# Altium PCB MOTHER_BOARD_LS1021_v1.0.PcbDoc (part 1 of 15)
Units mm, origin at the board's own origin, x right, y up, seen from the top; angles counter-clockwise.
Board outline 285 x 90.6 mm, 10 copper layers (TOP, GND1, SIGNAL1, GND+PWR1, POWER1, POWER2, GND+PWR2, SIGNAL2, GND2, BOTTOM), stack 1.739 mm thick; 1099 components, 832 nets, 4657 pads, 2737 vias.
Unrouted connection lines stored in the file: 7.
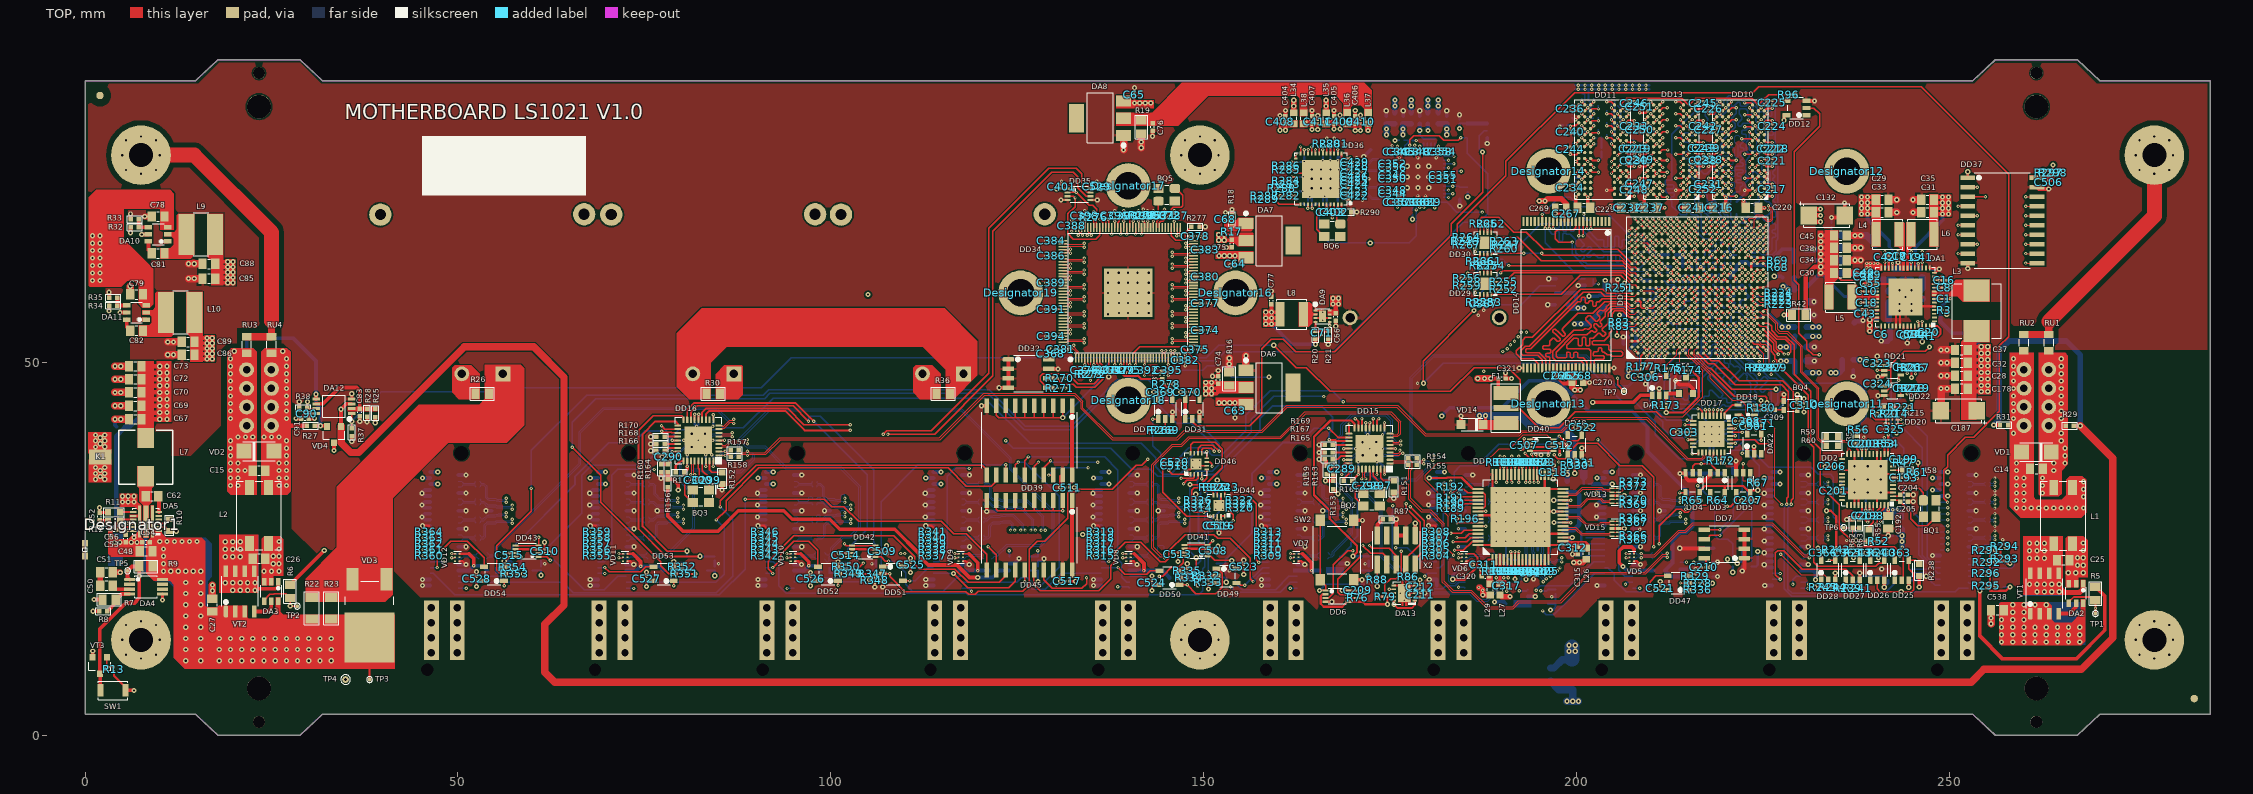
[diagram p0: TOP view]
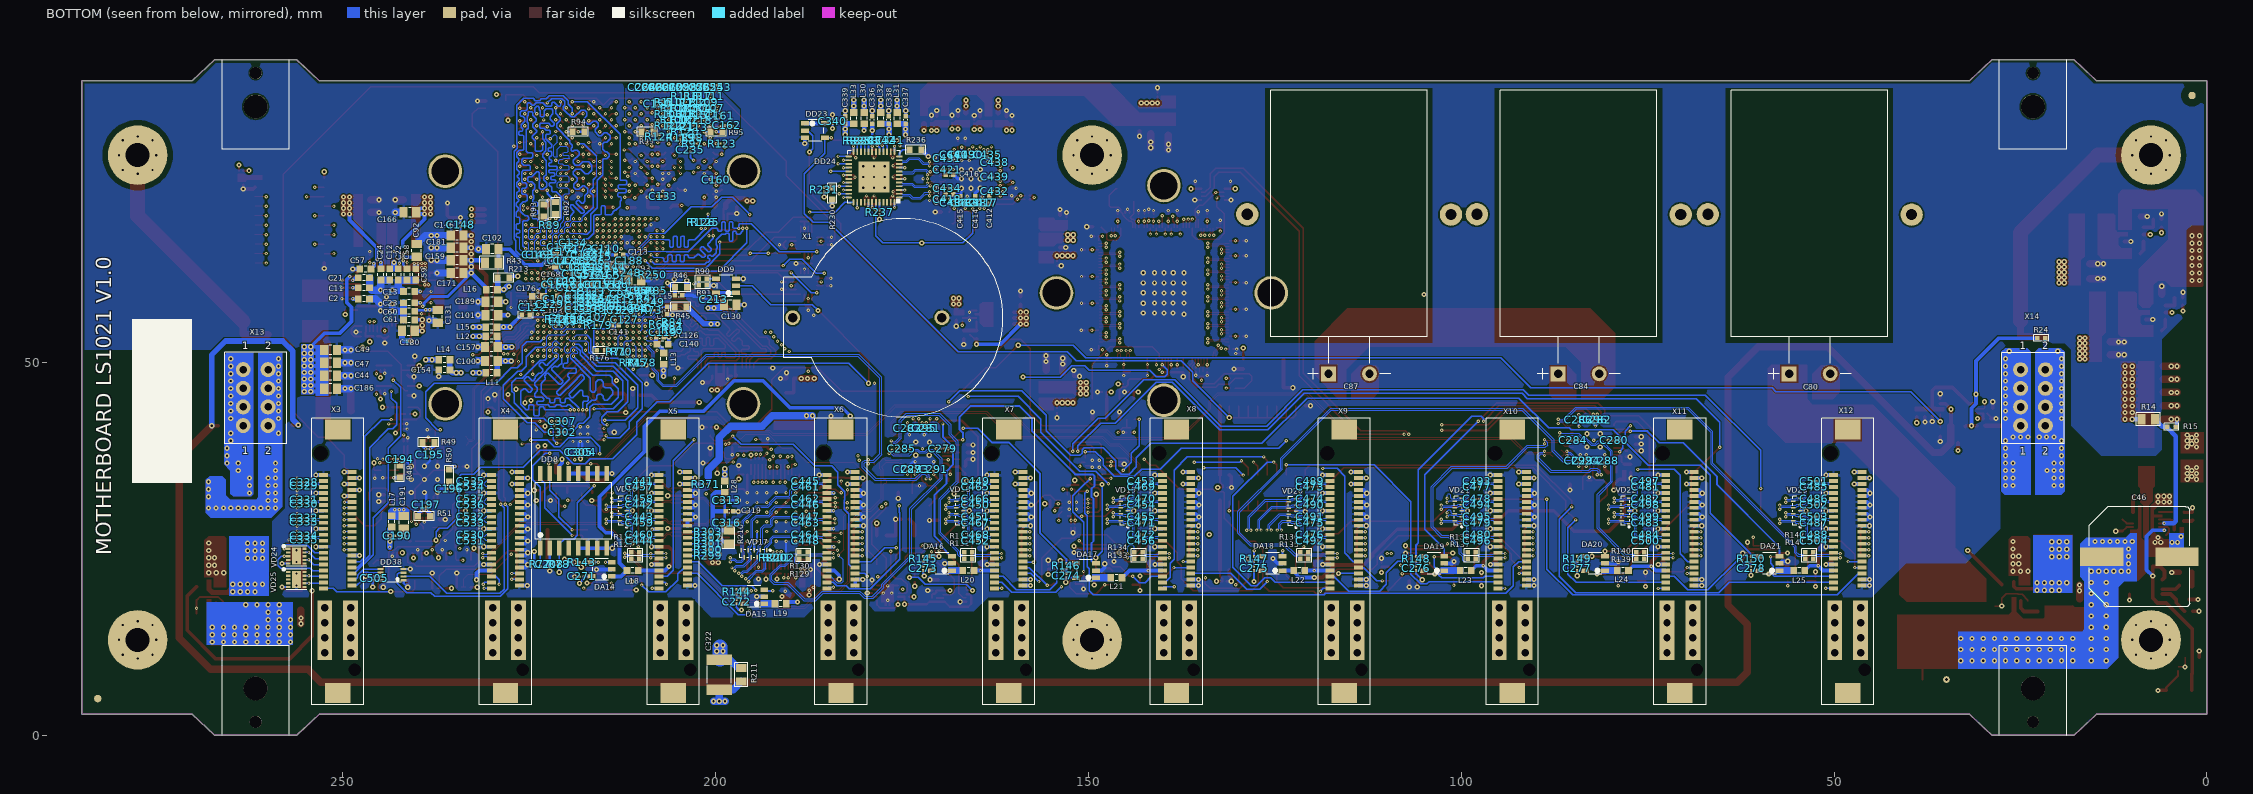
[diagram p1: BOTTOM view, seen from below]
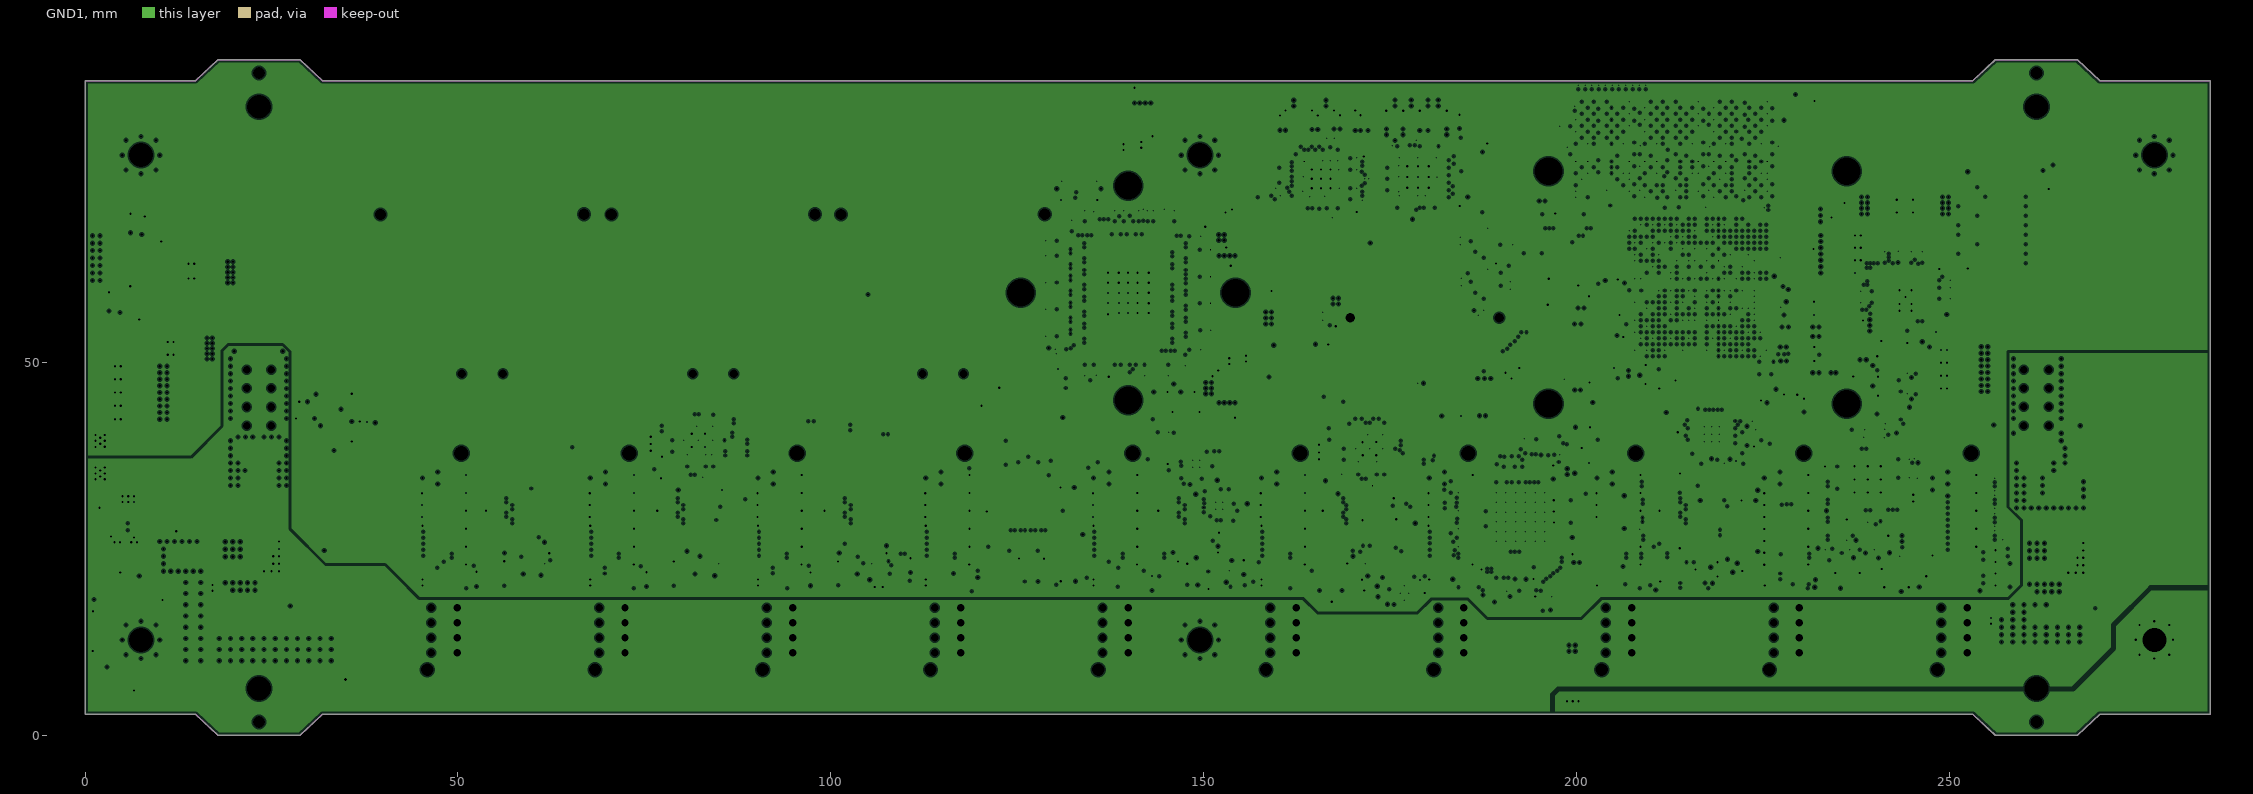
[diagram p2: GND1, clearances drawn from the general rule]
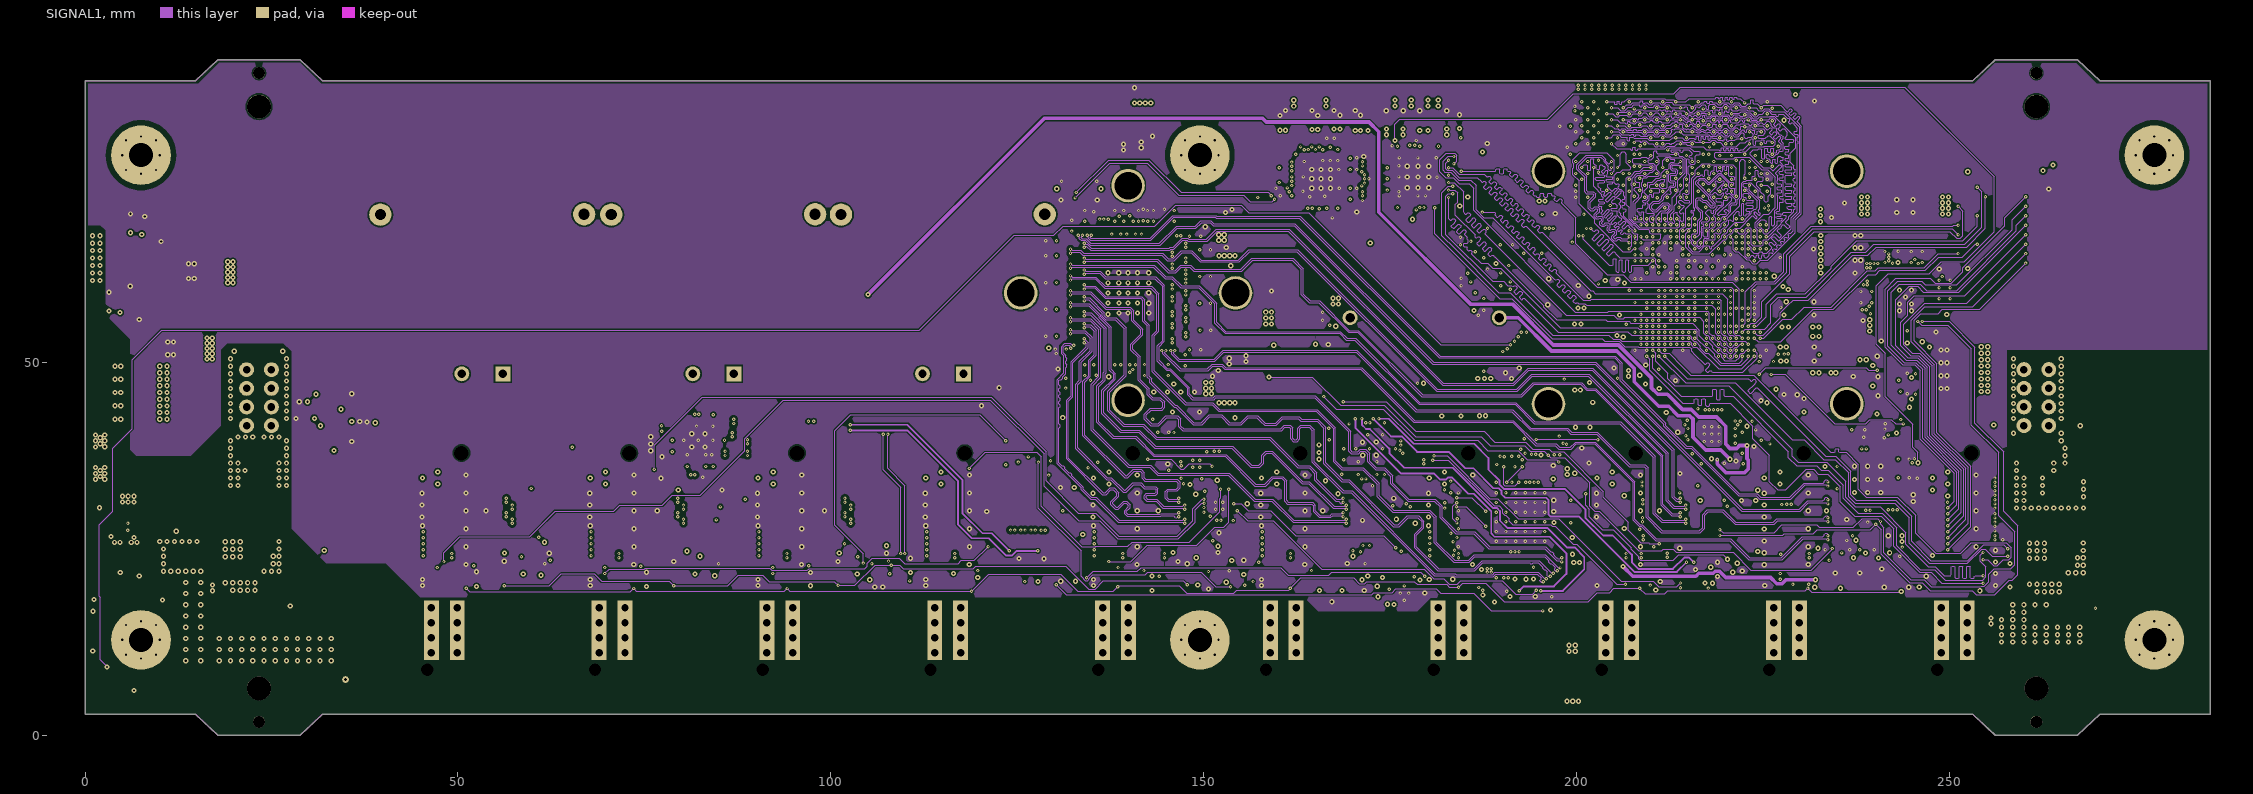
[diagram p3: SIGNAL1]
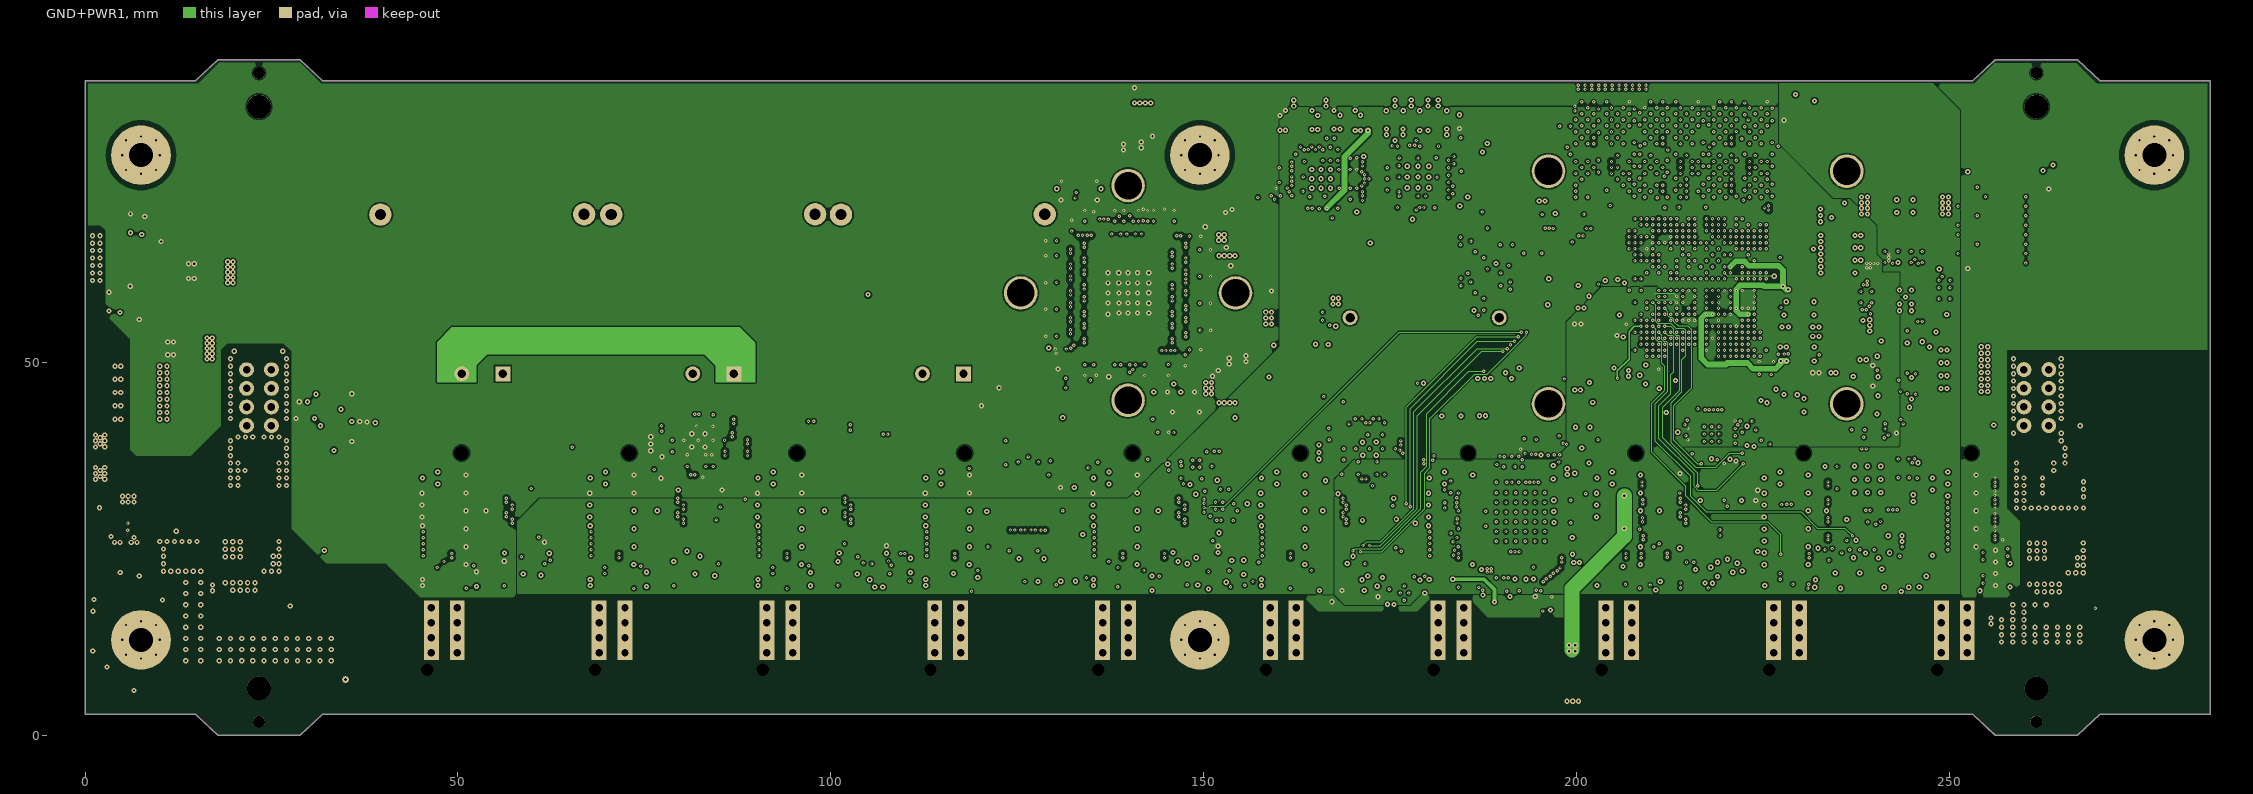
[diagram p4: GND+PWR1]
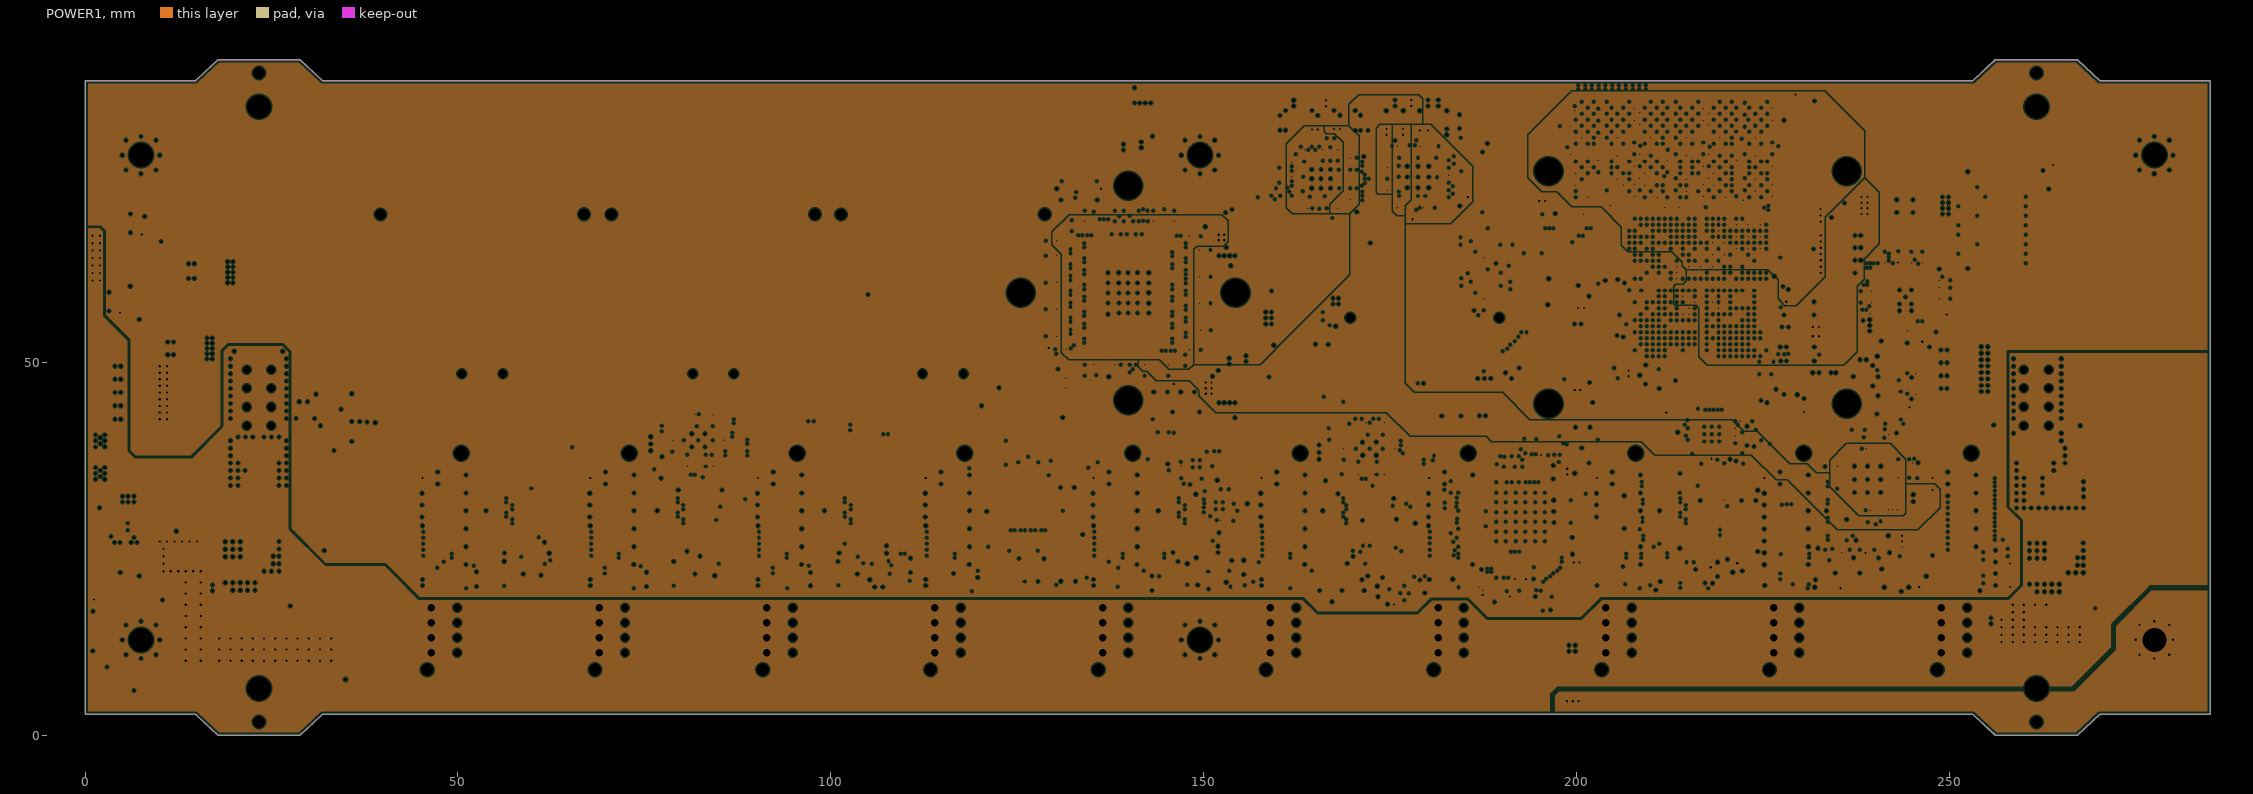
[diagram p5: POWER1, clearances drawn from the general rule]
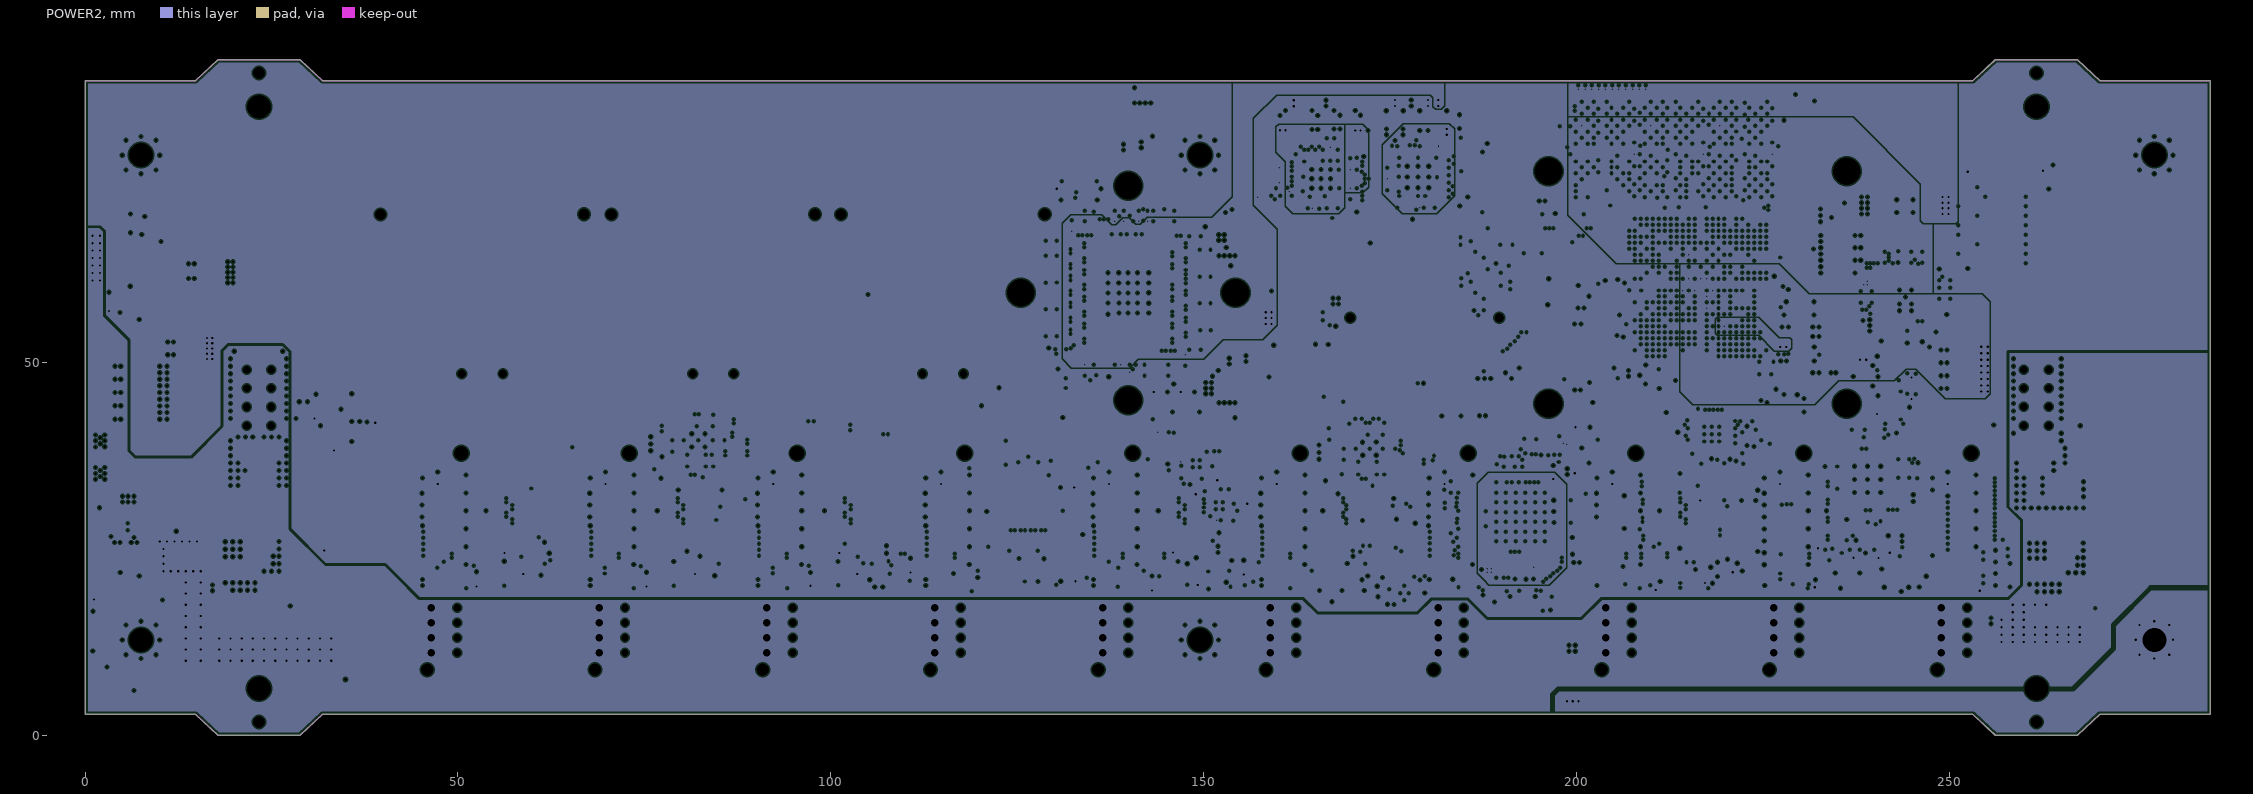
[diagram p6: POWER2, clearances drawn from the general rule]